# Altium PCB Sensor_ExpandBoard_V1.1.PcbDoc (continued)
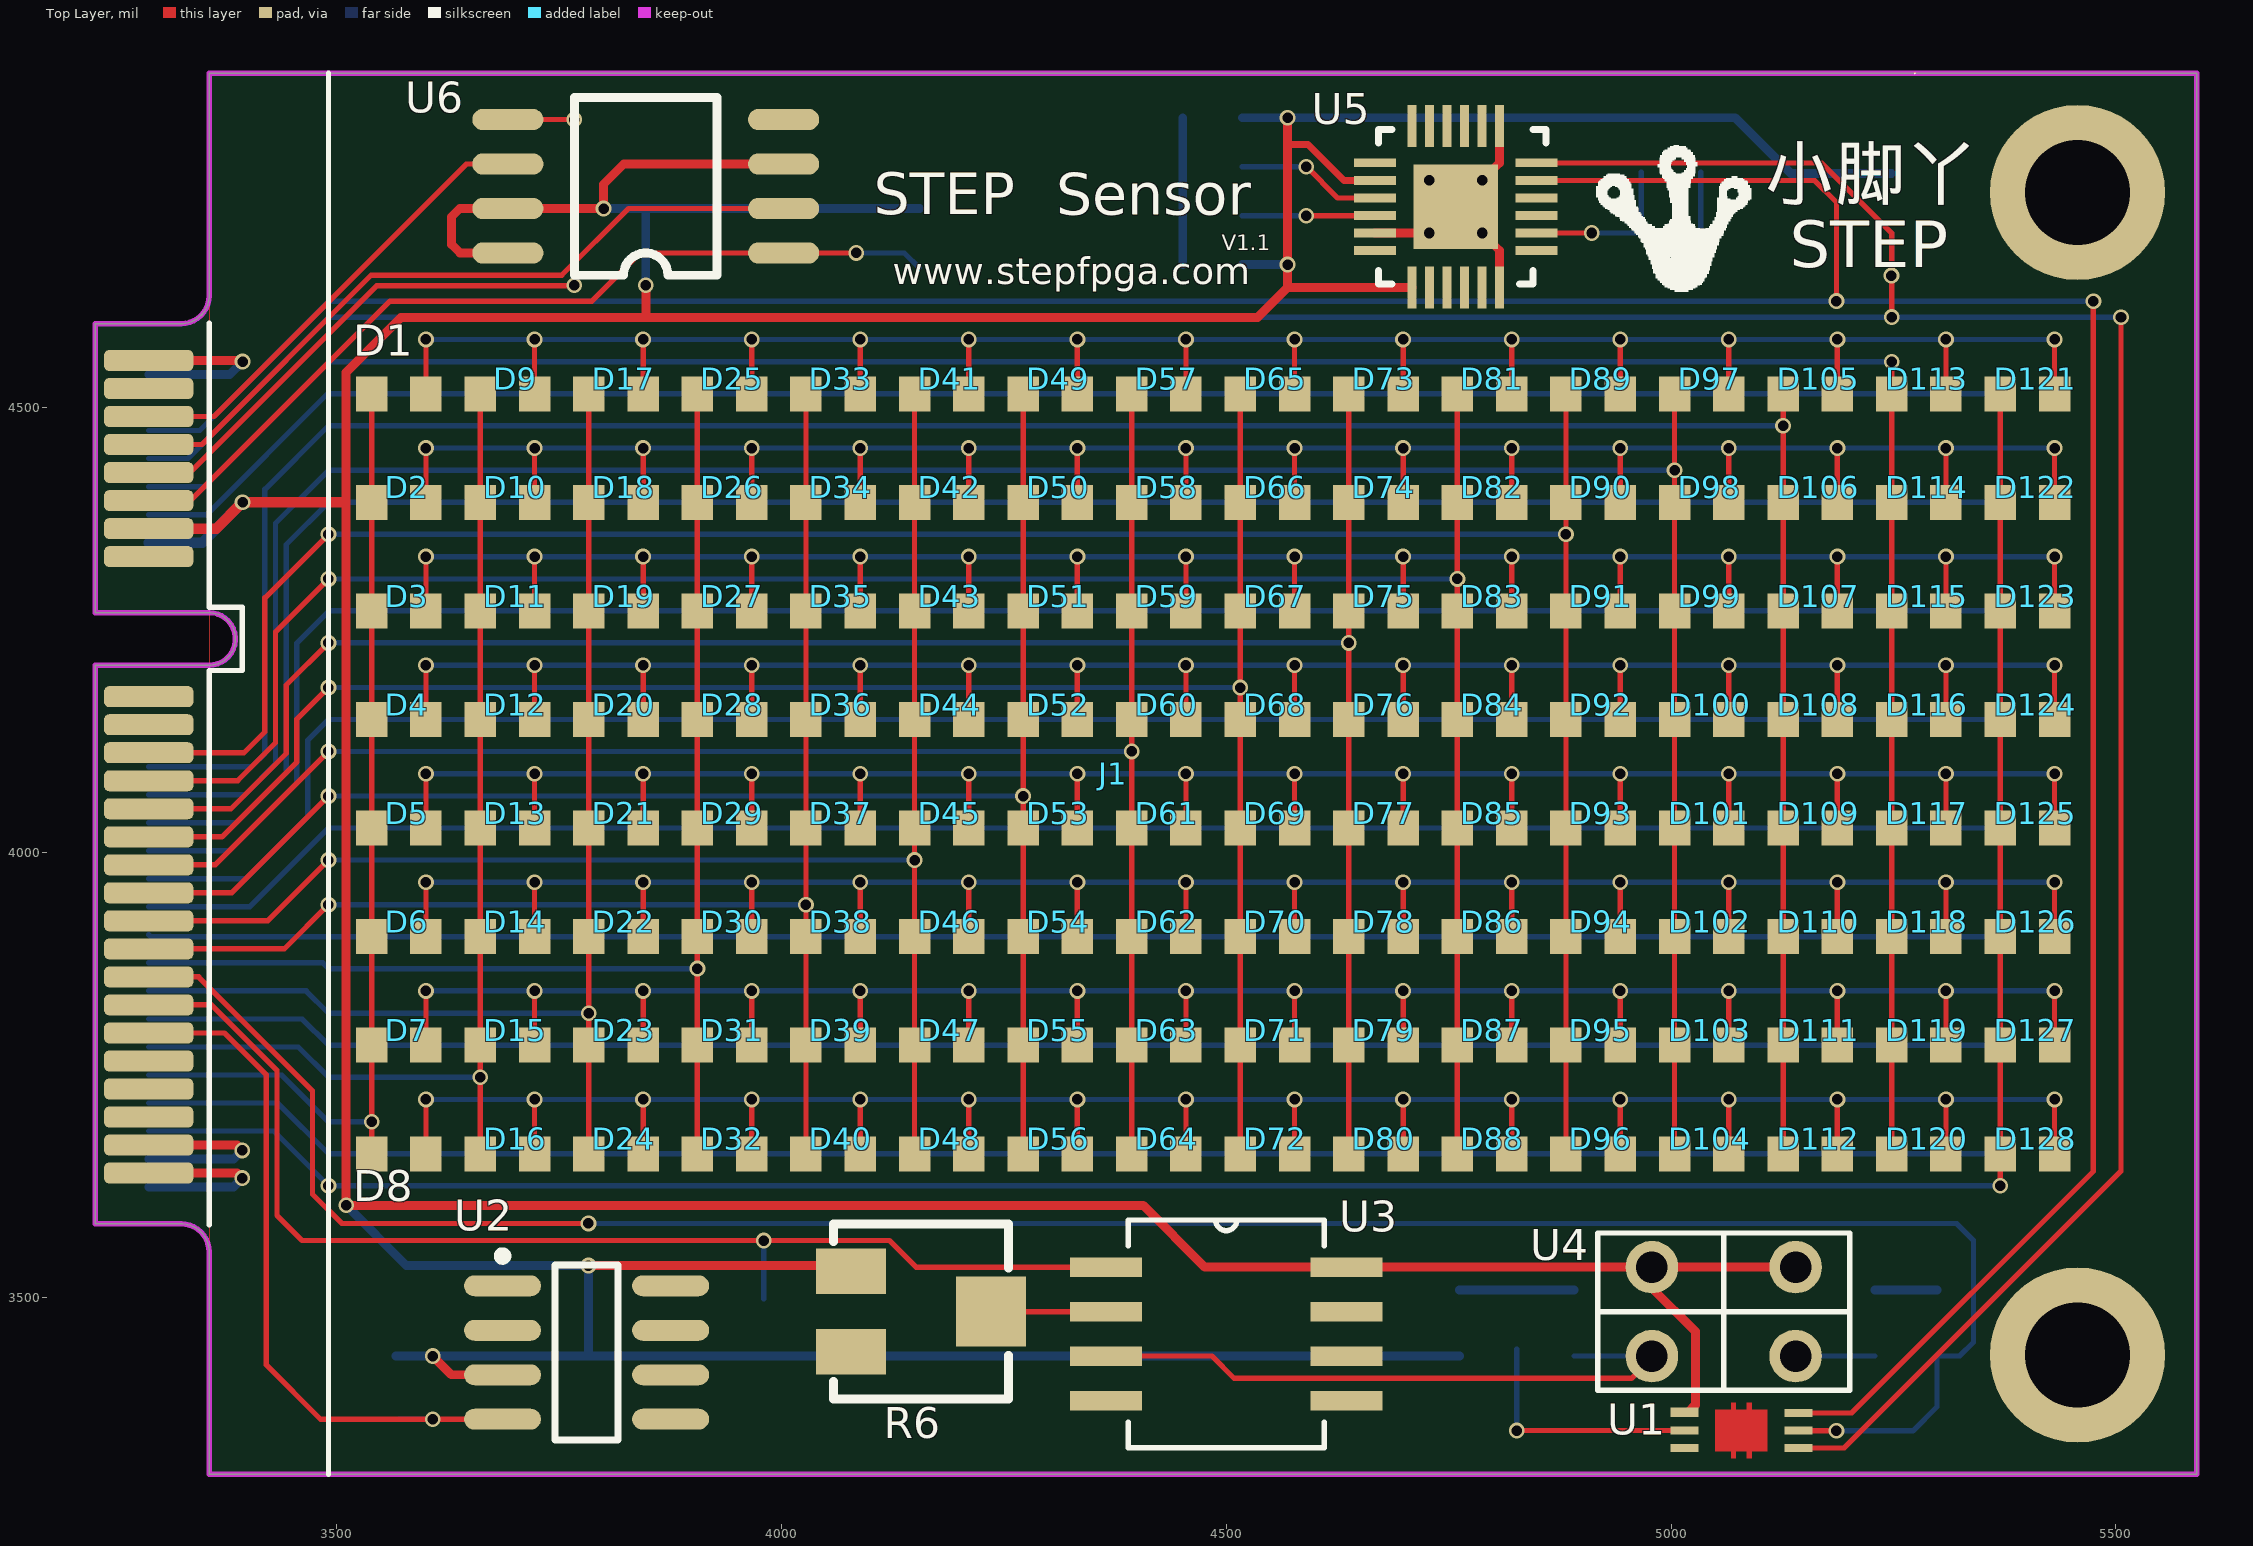
[diagram p0: Top Layer view]
## Components (designator, comment, footprint, x,y, rotation, side; value= is the part's Value field where it differs from the comment) (continued)
STEP "Comment" ECBC-STEP-M 5009.76,4678.03 r0 top
U1 "BH1750" WSOF6 5022,3371 r270 top
U2 "DS18B20" SOIC8_N 3781,3438 r0 top
U3 "LM393_PS_8" PS8 4500,3459 r0 top
U4 "Optoisolator1" IR_PAIRED_TUBE 5140,3534 r270 top
U5 "MPU6050" QFN24 4758,4726 r270 top
U6 "W25Q64" SOIC8 3847.44,4749.02 r180 top

## Footprints (in the part's own frame and the unit in brackets; to place one, negate y for a bottom-side part, rotate by r counter-clockwise, add the part's x,y. Pads: shape width x height; smd on the part's side, far side on the other; paste and mask are expansions set on the pad)
0603-1 [mm] "贴片带丝印"
  rect 1.1x1 smd: 1(-0.85,0) 2(0.85,0)
  silkscreen extent -1.65,-0.76 1.65,0.76, body extent -1.14,-0.38 1.14,0.38, height 1
0603-2 [mm] "贴片无丝印"
  rect 1.1x1 smd: 1(-0.85,0) 2(0.85,0)
ECBC-STEP-M [mil] "height=165mil"
  silkscreen extent -94,-47 81,117
IR_PAIRED_TUBE [mm]
  round 1.5 hole 0.9: 1(2.54,0) 2(0,0) 3(2.54,-4.1) 4(0,-4.1)
  round 0.5 on Top Overlay: 3(-0.775,1.875)
  silkscreen extent -0.97,-5.64 3.52,1.54
LED_0603_SMALL [mm] "贴片二极管"
  round 0.152 on Top Overlay: 0(1.25,0.85)
  rect 0.9x1 smd: 1(-0.75,0) 2(0.8,0)
MSATA [mm] "mSATA Golden Finger"
  round 5 hole 3: 1(55.071,-28.396) 2(55.071,4.796)
  rrect50% 2.55x0.6 smd: A0(0,0) A1(0,-0.8) A2(0,-1.6) A3(0,-2.4) A4(0,-3.2) A5(0,-4) A6(0,-4.8) A7(0,-5.6) A8(0,-9.6) A9(0,-10.4) A10(0,-11.2) A11(0,-12) A12(0,-12.8) A13(0,-13.6) A14(0,-14.4) A15(0,-15.2) A16(0,-16) A17(0,-16.8) A18(0,-17.6) A19(0,-18.4) A20(0,-19.2) A21(0,-20) A22(0,-20.8) A23(0,-21.6) A24(0,-22.4) A25(0,-23.2)
  rrect50% 2.55x0.6 smd far side: B0(0,-0.4) B1(0,-1.2) B2(0,-2) B3(0,-2.8) B4(0,-3.6) B5(0,-4.4) B6(0,-5.2) B7(0,-6) B8(0,-10) B9(0,-10.8) B10(0,-11.6) B11(0,-12.4) B12(0,-13.2) B13(0,-14) B14(0,-14.8) B15(0,-15.6) B16(0,-16.4) B17(0,-17.2) B18(0,-18) B19(0,-18.8) B20(0,-19.6) B21(0,-20.4) B22(0,-21.2) B23(0,-22) B24(0,-22.8) B25(0,-23.6)
  Keep-Out Layer lines w0.152: -1.525,-24.65 0.925,-24.65 cw(c0.925,-25.45) 1.725,-25.45 1.725,-31.8 58.475,-31.8 58.475,8.2 1.725,8.2 1.725,1.85 cw(c0.925,1.85) 0.925,1.05 -1.525,1.05 -1.525,-7.2 1.725,-7.2 cw(c1.725,-7.95) 1.725,-8.7 -1.525,-8.7 -1.525,-24.65
  silkscreen extent 1.73,-24.68 50.43,8.2
POT4MM-2 [mm] "Square Trimming Potentiometer"
  rect 2x1.3 smd: CCW(-2,-1.15) CW(-2,1.15)
  rect 2x2 smd: W(2,0)
  silkscreen extent -2.5,-2.5 2.5,2.5
PS8 [mil]
  rect 81x22 smd: 1(-135,75) 2(-135,25) 3(-135,-25) 4(-135,-75) 5(135,-75) 6(135,-25) 7(135,25) 8(135,75)
  silkscreen extent -110,-128 110,128
QFN24 [mm]
  round 0.4 on Top Overlay: 1(-2.625,2.175)
  rect 1.2x0.245 smd: 1(-2.304,1.25) 2(-2.304,0.75) 3(-2.304,0.25) 4(-2.304,-0.25) 5(-2.304,-0.75) 6(-2.304,-1.25) 13(2.304,-1.25) 14(2.304,-0.75) 15(2.304,-0.25) 16(2.304,0.25) 17(2.304,0.75) 18(2.304,1.25)
  rect 0.245x1.2 smd: 7(-1.25,-2.304) 8(-0.75,-2.304) 9(-0.25,-2.304) 10(0.25,-2.304) 11(0.75,-2.304) 12(1.25,-2.304) 19(1.25,2.304) 20(0.75,2.304) 21(0.25,2.304) 22(-0.25,2.304) 23(-0.75,2.304) 24(-1.25,2.304)
  rect 2.4x2.4 smd: 18(0,0)
  silkscreen extent -2.2,-2.2 2.2,2.58, body extent -2.04,-2.04 2.05,2.05, height 0.8
SOIC8 [mil]
  oval 80x24 smd: 1(-155,75) 2(-155,25) 3(-155,-25) 4(-155,-75) 5(155,-75) 6(155,-25) 7(155,25) 8(155,75)
  silkscreen extent -80,-100 80,100, body extent -167,-106 163,106, height 91
SOIC8_N [mm] "8-Pin Small Outline Integrated Circuit Package (SOIC8), IPC Medium Density"
  oval 2.2x0.6 smd: 1(-2.4,1.905) 2(-2.4,0.635) 3(-2.4,-0.635) 4(-2.4,-1.905) 5(2.4,-1.905) 6(2.4,-0.635) 7(2.4,0.635) 8(2.4,1.905)
  silkscreen extent -2.52,-2.5 0.9,2.88, body extent -1.95,-2.45 1.95,2.45, height 1.75
WSOF6 [mm]
  rect 0.27x0.8 smd: 1(0,-0.175)
  rect 0.22x0.8 smd: 2(0.525,-0.175) 3(1.025,-0.175) 4(1.025,3.075) 5(0.525,3.075) 6(0.025,3.075)
  Top Layer region: 1.125,1.6 1.325,1.6 1.325,1.75 1.125,1.75
  Top Layer region: 1.125,1.15 1.325,1.15 1.325,1.3 1.125,1.3
  Top Layer region: -0.275,1.15 -0.075,1.15 -0.075,1.3 -0.275,1.3
  Top Layer region: -0.275,1.6 -0.075,1.6 -0.075,1.75 -0.275,1.75
  Top Layer region: -0.075,0.7 1.125,0.7 1.125,2.2 -0.075,2.2

## Part data
C1 C2 C3 C4 C5 C6 C7 C8 C9: "无极性电容"
D1 D2 D3 D4 D5 D6 D7 D8 D9 D10 D11 D12 D13 D14 D15 D16 D17 D18 D19 D20 D21 D22 D23 D24 D25 D26 D27 D28 D29 D30 D31 D32 D33 D34 D35 D36 D37 D38 D39 D40 D41 D42 D43 D44 D45 D46 D47 D48 D49 D50 D51 D52 D53 D54 D55 D56 D57 D58 D59 D60 D61 D62 D63 D64 D65 D66 D67 D68 D69 D70 D71 D72 D73 D74 D75 D76 D77 D78 D79 D80 D81 D82 D83 D84 D85 D86 D87 D88 D89 D90 D91 D92 D93 D94 D95 D96 D97 D98 D99 D100 D101 D102 D103 D104 D105 D106 D107 D108 D109 D110 D111 D112 D113 D114 D115 D116 D117 D118 D119 D120 D121 D122 D123 D124 D125 D126 D127 D128: "发光二极管"
R1 R2 R3 R4 R5 R7 R8 R9 R10 R11 R12 R13 R14 R15 R16 R17 R18: "贴片电阻"
R6: "Square Trimming Potentiometer"
U1: "环境光传感器"
U2: library part DS18B20_SOP8, "温度传感器"
U3: "Imported"
U4: "4-Pin Phototransistor Optocoupler"
U5: "陀螺仪传感器"

## Via types
v1: diameter 17.72, hole 11.81, Top Layer to Bottom Layer, tented both sides, 180 vias
v2: diameter 17.72, hole 11.81, Top Layer to Bottom Layer, 4 vias

## Nets (pads, with @x,y where several pads share a name; then routed paths per layer and width w, separated by ;. In a path a pad name is that pad's centre, name@x,y a point inside that pad or via, vN(x,y) a via of type N, cw(c..) or ccw(c..) an arc to the next point about the centre after c; other vN are vias at no path point)
AD0: R17.1 U5.9 | length 163.9
  Top Layer w6: v1(4590,4771.08) 4625.24,4735.84 U5.9
  Bottom Layer w6: R17.1 v1(4590,4771.08)
BH_DVI: C2.1 J1.A18 U1.5 | length 2628.2
  Top Layer w6: J1.A18 3344.87,3860.25 3472.93,3732.19 3472.93,3615.95 3505.81,3583.07 v1(3783,3583.07) ; U1.5 5143.39,3350 v1(5186,3350)
  Bottom Layer w6: v1(3783,3583.07) 5321.02,3583.07 5339.96,3564.13 5339.96,3449.53 5324.43,3434 C2.1 5299,3377 5272,3350 v1(5186,3350)
COL0: D1.1 D2.1 D3.1 D4.1 D5.1 D6.1 D7.1 D8.1 J1.B21 | length 1126.8
  Top Layer w6: D8.1 v1(3539.37,3697.36) D7.1 D6.1 D5.1 D4.1 D3.1 D2.1 D1.1
  Bottom Layer w6: J1.B21 3438.15,3750 3490.79,3697.36 v1(3539.37,3697.36)
COL1: D9.1 D10.1 D11.1 D12.1 D13.1 D14.1 D15.1 D16.1 J1.B20 | length 1241.1
  Top Layer w6: D16.1 D15.1 D14.1 D13.1 D12.1 D11.1 D10.1 D9.1
  Bottom Layer w6: J1.B20 3456.81,3781.5 3490.79,3747.52 v1(3661.42,3747.52)
COL2: D17.1 D18.1 D19.1 D20.1 D21.1 D22.1 D23.1 D24.1 J1.B18 | length 1359.4
  Top Layer w6: D24.1 D23.1 v1(3783.46,3819.41) D22.1 D21.1 D20.1 D19.1 D18.1 D17.1
  Bottom Layer w6: J1.B18 3465.71,3844.49 3490.79,3819.41 v1(3783.46,3819.41)
COL3: D25.1 D26.1 D27.1 D28.1 D29.1 D30.1 D31.1 D32.1 J1.B17 | length 1473.8
  Top Layer w6: D32.1 D31.1 D30.1 D29.1 D28.1 D27.1 D26.1 D25.1
  Bottom Layer w6: J1.B17 3484.37,3875.98 3490.79,3869.57 v1(3905.51,3869.57)
COL4: D33.1 D34.1 D35.1 D36.1 D37.1 D38.1 D39.1 D40.1 J1.A17 | length 1613.7
  Top Layer w6: J1.A17 3441.08,3891.75 v1(3490.79,3941.46) ; D40.1 D39.1 D38.1 v1(4027.56,3941.46) D37.1 D36.1 D35.1 D34.1 D33.1
  Bottom Layer w6: v1(3490.79,3941.46) v1(4027.56,3941.46)
COL5: D41.1 D42.1 D43.1 D44.1 D45.1 D46.1 D47.1 D48.1 J1.A16 | length 1743.5
  Top Layer w6: J1.A16 3422.42,3923.24 v1(3490.79,3991.61) ; D48.1 D47.1 D46.1 v1(4149.61,3991.61) D45.1 D44.1 D43.1 D42.1 D41.1
  Bottom Layer w6: v1(3490.79,3991.61) v1(4149.61,3991.61)
COL6: D49.1 D50.1 D51.1 D52.1 D53.1 D54.1 D55.1 D56.1 J1.A15 | length 1882.3
  Top Layer w6: J1.A15 3382.02,3954.74 v1(3490.79,4063.5) ; D56.1 D55.1 D54.1 D53.1 D52.1 D51.1 D50.1 D49.1
  Bottom Layer w6: v1(3490.79,4063.5) v1(4271.65,4063.5)
COL7: D57.1 D58.1 D59.1 D60.1 D61.1 D62.1 D63.1 D64.1 J1.A14 | length 2012.1
  Top Layer w6: J1.A14 3363.36,3986.24 v1(3490.79,4113.66) ; D64.1 D63.1 D62.1 D61.1 D60.1 D59.1 D58.1 D57.1
  Bottom Layer w6: v1(3490.79,4113.66) v1(4393.7,4113.66)
COL8: D65.1 D66.1 D67.1 D68.1 D69.1 D70.1 D71.1 D72.1 J1.A13 | length 2179.1
  Top Layer w6: J1.A13 3371.2,4017.73 3455.33,4101.87 3455.33,4150.09 v1(3490.79,4185.55) ; D72.1 D71.1 D70.1 D69.1 D68.1 v1(4515.75,4185.55) D67.1 D66.1 D65.1
  Bottom Layer w6: v1(3490.79,4185.55) v1(4515.75,4185.55)
COL9: D73.1 D74.1 D75.1 D76.1 D77.1 D78.1 D79.1 D80.1 J1.A12 | length 2325.7
  Top Layer w6: J1.A12 3381.2,4049.23 3443.33,4111.36 3443.33,4188.25 v1(3490.79,4235.71) ; D80.1 D79.1 D78.1 D77.1 D76.1 v1(4637.8,4235.71) D75.1 D74.1 D73.1
  Bottom Layer w6: v1(3490.79,4235.71) v1(4637.8,4235.71)
COL10: D81.1 D82.1 D83.1 D84.1 D85.1 D86.1 D87.1 D88.1 J1.A11 | length 2492.5
  Top Layer w6: J1.A11 3388.64,4080.72 3431.33,4123.42 3431.33,4248.14 v1(3490.79,4307.6) ; D88.1 D87.1 D86.1 D85.1 D84.1 D83.1 D82.1 D81.1
  Bottom Layer w6: v1(3490.79,4307.6) v1(4759.84,4307.6)
COL11: D89.1 D90.1 D91.1 D92.1 D93.1 D94.1 D95.1 D96.1 J1.A10 | length 2637.3
  Top Layer w6: J1.A10 3395.72,4112.22 3419.33,4135.83 3419.33,4286.3 v1(3490.79,4357.76) ; D96.1 D95.1 D94.1 D93.1 D92.1 D91.1 D90.1 D89.1
  Bottom Layer w6: v1(3490.79,4357.76) v1(4881.89,4357.76)
COL12: D97.1 D98.1 D99.1 D100.1 D101.1 D102.1 D103.1 D104.1 J1.B11 | length 2879.2
  Top Layer w6: D104.1 D103.1 D102.1 D101.1 D100.1 D99.1 D98.1 D97.1
  Bottom Layer w6: J1.B11 3396.89,4064.96 3431.33,4099.4 3431.33,4370.19 3490.79,4429.65 v1(5003.94,4429.65)
COL13: D105.1 D106.1 D107.1 D108.1 D109.1 D110.1 D111.1 D112.1 J1.B10 | length 3024.3
  Top Layer w6: D112.1 D111.1 D110.1 D109.1 D108.1 D107.1 D106.1 D105.1
  Bottom Layer w6: J1.B10 3404.33,4096.46 3419.33,4111.46 3419.33,4408.35 3490.79,4479.8 v1(5125.98,4479.8)
COL14: D113.1 D114.1 D115.1 D116.1 D117.1 D118.1 D119.1 D120.1 J1.B4 | length 2907.7
  Top Layer w6: D120.1 D119.1 D118.1 D117.1 D116.1 D115.1 D114.1 v1(5248.03,4551.69)
  Bottom Layer w6: J1.B4 3351.22,4411.42 3491.5,4551.69 v1(5248.03,4551.69)
COL15: D121.1 D122.1 D123.1 D124.1 D125.1 D126.1 D127.1 D128.1 J1.B23 | length 2997.1
  Top Layer w6: v1(5370.08,3625.47) D128.1 D127.1 D126.1 D125.1 D124.1 D123.1 D122.1 D121.1
  Bottom Layer w6: J1.B23 3429.25,3687.01 v1(3490.79,3625.47) v1(5370.08,3625.47)
DS_DATA: J1.A20 R4.1 U2.4 | length 805.7
  Top Layer w6: J1.A20 3373.92,3797.26 3421,3750.18 3421,3424 3482,3363 v1(3607.89,3363) U2.4
  Bottom Layer w6: R4.1@3570.91,3363 v1(3607.89,3363)
GND: C1.2 C2.2 C3.1 C4.2 C5.2 C6.2 C7.2 C8.1 C9.2 J1.1 J1.2 J1.A0 J1.A24 J1.A25 J1.B0 J1.B24 J1.B25 R1.1 R6.CCW R7.1 R8.1 R17.2 U1.3 U2.5 U3.4 U5.1@4807.21,4816.71 U5.11 U5.18 U6.4 | length 1324.4
  Top Layer w10: J1.A25 v1@3388.25,3639.78 ; J1.A24 v1@3387.82,3671.28 ; J1.A0 v1@3393.03,4553.15 ; U5.11 v2(4728.47,4696.47) ; U5.18@4807.21,4635.29 4807.21,4676.79 v2(4787.53,4696.47) v2(4787.53,4755.53) 4807.21,4775.21 U5.1@4807.21,4816.71
  Bottom Layer w6: C7.2 C8.1
  Bottom Layer w10: J1.B25 3383.86,3624.02 v1(3393.94,3634.09) ; J1.B24 3384.29,3655.51 v1(3393.94,3665.16) ; J1.B0 3379.65,4537.41 v1(3394.21,4551.97) ; C5.2 C6.2 R17.2 C4.2 ; C1.2@4762,3508.46 R8.1@4891,3508.46 ; R7.1@5229,3508.46 C2.2@5299,3508.46
  other v2: 4728.47,4755.53
I2C_SCL: J1.B2 R2.1 U1.6 U5.23 | length 4203.8
  Top Layer w6: U5.23 5161.47,4755.53 5186,4731 v1(5186,4620) ; U1.6 5203.02,3370.02 5474.8,3641.8 v1(5474.8,4619.76)
  Bottom Layer w6: J1.B2 3346.14,4474.41 3491.59,4619.86 v1@5186,4619.86 ; R2.1 v1(5186,4620) v1@5186,4619.86 ; v1(5474.8,4619.76) 5474.71,4619.86 v1@5186,4619.86
I2C_SDA: J1.B3 R3.1 U1.4 U5.24 | length 4308.7
  Top Layer w6: U5.24 5169.32,4775.21 5248,4696.54 v1(5248,4602) ; U1.4 5194.64,3330.65 5505.82,3641.82 v1(5505.82,4601.85)
  Bottom Layer w6: J1.B3 3332.68,4442.91 3491.61,4601.85 v1(5505.82,4601.85) ; v1@5248,4648.83 R3.1
  other v1: 5247.76,4648.58
IR_OUTPUT: J1.A19 R5.1 U3.1 | length 1359.3
  Top Layer w6: J1.A19 3359.39,3828.76 3433,3755.15 3433,3592 3461.13,3563.87 4121.36,3563.87 4151.22,3534 U3.1
  Bottom Layer w6: R5.1@3980,3498.46 v1(3980,3563.87)
NetC7_1: C7.1 C8.2 U5.20 | length 186.4
  Top Layer w6: U5.20 v1(4911,4696.47)
  Bottom Layer w6: v1(4911,4696.47) C7.1 C8.2
NetR1_2: R1.2 U1.2 | length 279.8
  Top Layer w6: v1(4826.5,3350.33) U1.2
  Bottom Layer w6: v1(4826.5,3350.33) R1.2@4826.5,3441.54
NetR6_W: R6.W U3.2 | length 129.3
  Top Layer w6: R6.W U3.2
NetR7_2: R7.2 U4.1 | length 87
  Bottom Layer w6: U4.1@5142,3434 R7.2
NetR8_2: R8.2 U3.3 U4.3@4978.58,3434 | length 725.9
  Top Layer w6: U3.3 4484,3434 4509,3409 4955.58,3409 U4.3@4980.58,3434
  Bottom Layer w6: R8.2 U4.3@4980.58,3434
REGOUT: C6.1 U5.10 | length 149.4
  Top Layer w6: v1(4590,4716) 4667.13,4716 U5.10
  Bottom Layer w6: C6.1 4518.16,4716 v1(4590,4716)
ROW0: J1.B22 R9.1 | length 2099.1
  Bottom Layer w6: J1.B22 3433.7,3718.5 3490.79,3661.42 R9.1
ROW1: J1.B19 R10.1 | length 2087.7
  Bottom Layer w6: J1.B19 3461.26,3812.99 3490.79,3783.46 R10.1
ROW2: J1.B16 R11.1 | length 2076.2
  Bottom Layer w6: J1.B16 3290.71,3905.51 R11.1
ROW3: J1.B15 R12.1 | length 2112.1
  Bottom Layer w6: J1.B15 3402.2,3938.98 3490.79,4027.56 R12.1
ROW4: J1.B14 R13.1 | length 2200
  Bottom Layer w6: J1.B14 3397.64,3970.47 3467.33,4040.17 3467.33,4126.15 3490.79,4149.61 R13.1
ROW5: J1.B13 R14.1 | length 2279.2
  Bottom Layer w6: J1.B13 3379.02,4001.97 3455.33,4078.28 3455.33,4235.49 3491.5,4271.65 R14.1
ROW6: J1.B12 R15.1 | length 2374.8
  Bottom Layer w6: J1.B12 3386.93,4033.46 3443.33,4089.87 3443.33,4346.24 3490.79,4393.7 R15.1
ROW7: J1.B5 R16.1 | length 2131.7
  Bottom Layer w6: J1.B5 3354.09,4379.92 3489.92,4515.75 R16.1
ROW_B0: D8.2 D16.2 D24.2 D32.2 D40.2 D48.2 D56.2 D64.2 D72.2 D80.2 D88.2 D96.2 D104.2 D112.2 D120.2 D128.2 R9.2 | length 2868.1
  Top Layer w6: D8.2 v1(3600.39,3722.44) ; D16.2 v1(3722.44,3722.44) ; D24.2 v1(3844.49,3722.44) ; D32.2 v1(3966.54,3722.44) ; D40.2 v1(4088.58,3722.44) ; D48.2 v1(4210.63,3722.44) ; D56.2 v1(4332.68,3722.44) ; D64.2 v1(4454.72,3722.44) ; D72.2 v1(4576.77,3722.44) ; D80.2 v1(4698.82,3722.44) ; D88.2 v1(4820.87,3722.44) ; D96.2 v1(4942.91,3722.44) ; D104.2 v1(5064.96,3722.44) ; D112.2 v1(5187.01,3722.44) ; D120.2 v1(5309.06,3722.44) ; D128.2 v1(5431.1,3722.44)
  Bottom Layer w6: v1(3600.39,3722.44) v1(3722.44,3722.44) v1(3844.49,3722.44) v1(3966.54,3722.44) v1(4088.58,3722.44) v1(4210.63,3722.44) v1(4332.68,3722.44) v1(4454.72,3722.44) v1(4576.77,3722.44) v1(4698.82,3722.44) v1(4820.87,3722.44) v1(4942.91,3722.44) v1(5064.96,3722.44) v1(5187.01,3722.44) v1(5309.06,3722.44) v1(5431.1,3722.44) R9.2
ROW_B1: D7.2 D15.2 D23.2 D31.2 D39.2 D47.2 D55.2 D63.2 D71.2 D79.2 D87.2 D95.2 D103.2 D111.2 D119.2 D127.2 R10.2 | length 2868.1
  Top Layer w6: D7.2 v1(3600.39,3844.49) ; D15.2 v1(3722.44,3844.49) ; D23.2 v1(3844.49,3844.49) ; D31.2 v1(3966.54,3844.49) ; D39.2 v1(4088.58,3844.49) ; D47.2 v1(4210.63,3844.49) ; D55.2 v1(4332.68,3844.49) ; D63.2 v1(4454.72,3844.49) ; D71.2 v1(4576.77,3844.49) ; D79.2 v1(4698.82,3844.49) ; D87.2 v1(4820.87,3844.49) ; D95.2 v1(4942.91,3844.49) ; D103.2 v1(5064.96,3844.49) ; D111.2 v1(5187.01,3844.49) ; D119.2 v1(5309.06,3844.49) ; D127.2 v1(5431.1,3844.49)
  Bottom Layer w6: v1(3600.39,3844.49) v1(3722.44,3844.49) v1(3844.49,3844.49) v1(3966.54,3844.49) v1(4088.58,3844.49) v1(4210.63,3844.49) v1(4332.68,3844.49) v1(4454.72,3844.49) v1(4576.77,3844.49) v1(4698.82,3844.49) v1(4820.87,3844.49) v1(4942.91,3844.49) v1(5064.96,3844.49) v1(5187.01,3844.49) v1(5309.06,3844.49) v1(5431.1,3844.49) R10.2
ROW_B2: D6.2 D14.2 D22.2 D30.2 D38.2 D46.2 D54.2 D62.2 D70.2 D78.2 D86.2 D94.2 D102.2 D110.2 D118.2 D126.2 R11.2 | length 2868.1
  Top Layer w6: D6.2 v1(3600.39,3966.54) ; D14.2 v1(3722.44,3966.54) ; D22.2 v1(3844.49,3966.54) ; D30.2 v1(3966.54,3966.54) ; D38.2 v1(4088.58,3966.54) ; D46.2 v1(4210.63,3966.54) ; D54.2 v1(4332.68,3966.54) ; D62.2 v1(4454.72,3966.54) ; D70.2 v1(4576.77,3966.54) ; D78.2 v1(4698.82,3966.54) ; D86.2 v1(4820.87,3966.54) ; D94.2 v1(4942.91,3966.54) ; D102.2 v1(5064.96,3966.54) ; D110.2 v1(5187.01,3966.54) ; D118.2 v1(5309.06,3966.54) ; D126.2 v1(5431.1,3966.54)
  Bottom Layer w6: v1(3600.39,3966.54) v1(3722.44,3966.54) v1(3844.49,3966.54) v1(3966.54,3966.54) v1(4088.58,3966.54) v1(4210.63,3966.54) v1(4332.68,3966.54) v1(4454.72,3966.54) v1(4576.77,3966.54) v1(4698.82,3966.54) v1(4820.87,3966.54) v1(4942.91,3966.54) v1(5064.96,3966.54) v1(5187.01,3966.54) v1(5309.06,3966.54) v1(5431.1,3966.54) R11.2
ROW_B3: D5.2 D13.2 D21.2 D29.2 D37.2 D45.2 D53.2 D61.2 D69.2 D77.2 D85.2 D93.2 D101.2 D109.2 D117.2 D125.2 R12.2 | length 2868.1
  Top Layer w6: D5.2 v1(3600.39,4088.58) ; D13.2 v1(3722.44,4088.58) ; D21.2 v1(3844.49,4088.58) ; D29.2 v1(3966.54,4088.58) ; D37.2 v1(4088.58,4088.58) ; D45.2 v1(4210.63,4088.58) ; D53.2 v1(4332.68,4088.58) ; D61.2 v1(4454.72,4088.58) ; D69.2 v1(4576.77,4088.58) ; D77.2 v1(4698.82,4088.58) ; D85.2 v1(4820.87,4088.58) ; D93.2 v1(4942.91,4088.58) ; D101.2 v1(5064.96,4088.58) ; D109.2 v1(5187.01,4088.58) ; D117.2 v1(5309.06,4088.58) ; D125.2 v1(5431.1,4088.58)
  Bottom Layer w6: v1(3600.39,4088.58) v1(3722.44,4088.58) v1(3844.49,4088.58) v1(3966.54,4088.58) v1(4088.58,4088.58) v1(4210.63,4088.58) v1(4332.68,4088.58) v1(4454.72,4088.58) v1(4576.77,4088.58) v1(4698.82,4088.58) v1(4820.87,4088.58) v1(4942.91,4088.58) v1(5064.96,4088.58) v1(5187.01,4088.58) v1(5309.06,4088.58) v1(5431.1,4088.58) R12.2
ROW_B4: D4.2 D12.2 D20.2 D28.2 D36.2 D44.2 D52.2 D60.2 D68.2 D76.2 D84.2 D92.2 D100.2 D108.2 D116.2 D124.2 R13.2 | length 2868.1
  Top Layer w6: D4.2 v1(3600.39,4210.63) ; D12.2 v1(3722.44,4210.63) ; D20.2 v1(3844.49,4210.63) ; D28.2 v1(3966.54,4210.63) ; D36.2 v1(4088.58,4210.63) ; D44.2 v1(4210.63,4210.63) ; D52.2 v1(4332.68,4210.63) ; D60.2 v1(4454.72,4210.63) ; D68.2 v1(4576.77,4210.63) ; D76.2 v1(4698.82,4210.63) ; D84.2 v1(4820.87,4210.63) ; D92.2 v1(4942.91,4210.63) ; D100.2 v1(5064.96,4210.63) ; D108.2 v1(5187.01,4210.63) ; D116.2 v1(5309.06,4210.63) ; D124.2 v1(5431.1,4210.63)
  Bottom Layer w6: v1(3600.39,4210.63) v1(3722.44,4210.63) v1(3844.49,4210.63) v1(3966.54,4210.63) v1(4088.58,4210.63) v1(4210.63,4210.63) v1(4332.68,4210.63) v1(4454.72,4210.63) v1(4576.77,4210.63) v1(4698.82,4210.63) v1(4820.87,4210.63) v1(4942.91,4210.63) v1(5064.96,4210.63) v1(5187.01,4210.63) v1(5309.06,4210.63) v1(5431.1,4210.63) R13.2
ROW_B5: D3.2 D11.2 D19.2 D27.2 D35.2 D43.2 D51.2 D59.2 D67.2 D75.2 D83.2 D91.2 D99.2 D107.2 D115.2 D123.2 R14.2 | length 2868.1
  Top Layer w6: D3.2 v1(3600.39,4332.68) ; D11.2 v1(3722.44,4332.68) ; D19.2 v1(3844.49,4332.68) ; D27.2 v1(3966.54,4332.68) ; D35.2 v1(4088.58,4332.68) ; D43.2 v1(4210.63,4332.68) ; D51.2 v1(4332.68,4332.68) ; D59.2 v1(4454.72,4332.68) ; D67.2 v1(4576.77,4332.68) ; D75.2 v1(4698.82,4332.68) ; D83.2 v1(4820.87,4332.68) ; D91.2 v1(4942.91,4332.68) ; D99.2 v1(5064.96,4332.68) ; D107.2 v1(5187.01,4332.68) ; D115.2 v1(5309.06,4332.68) ; D123.2 v1(5431.1,4332.68)
  Bottom Layer w6: v1(3600.39,4332.68) v1(3722.44,4332.68) v1(3844.49,4332.68) v1(3966.54,4332.68) v1(4088.58,4332.68) v1(4210.63,4332.68) v1(4332.68,4332.68) v1(4454.72,4332.68) v1(4576.77,4332.68) v1(4698.82,4332.68) v1(4820.87,4332.68) v1(4942.91,4332.68) v1(5064.96,4332.68) v1(5187.01,4332.68) v1(5309.06,4332.68) v1(5431.1,4332.68) R14.2
ROW_B6: D2.2 D10.2 D18.2 D26.2 D34.2 D42.2 D50.2 D58.2 D66.2 D74.2 D82.2 D90.2 D98.2 D106.2 D114.2 D122.2 R15.2 | length 2868.1
  Top Layer w6: D2.2 v1(3600.39,4454.72) ; D10.2 v1(3722.44,4454.72) ; D18.2 v1(3844.49,4454.72) ; D26.2 v1(3966.54,4454.72) ; D34.2 v1(4088.58,4454.72) ; D42.2 v1(4210.63,4454.72) ; D50.2 v1(4332.68,4454.72) ; D58.2 v1(4454.72,4454.72) ; D66.2 v1(4576.77,4454.72) ; D74.2 v1(4698.82,4454.72) ; D82.2 v1(4820.87,4454.72) ; D90.2 v1(4942.91,4454.72) ; D98.2 v1(5064.96,4454.72) ; D106.2 v1(5187.01,4454.72) ; D114.2 v1(5309.06,4454.72) ; D122.2 v1(5431.1,4454.72)
  Bottom Layer w6: v1(3600.39,4454.72) v1(3722.44,4454.72) v1(3844.49,4454.72) v1(3966.54,4454.72) v1(4088.58,4454.72) v1(4210.63,4454.72) v1(4332.68,4454.72) v1(4454.72,4454.72) v1(4576.77,4454.72) v1(4698.82,4454.72) v1(4820.87,4454.72) v1(4942.91,4454.72) v1(5064.96,4454.72) v1(5187.01,4454.72) v1(5309.06,4454.72) v1(5431.1,4454.72) R15.2
ROW_B7: D1.2 D9.2 D17.2 D25.2 D33.2 D41.2 D49.2 D57.2 D65.2 D73.2 D81.2 D89.2 D97.2 D105.2 D113.2 D121.2 R16.2 | length 2868.1
  Top Layer w6: D1.2 v1(3600.39,4576.77) ; D9.2 v1(3722.44,4576.77) ; D17.2 v1(3844.49,4576.77) ; D25.2 v1(3966.54,4576.77) ; D33.2 v1(4088.58,4576.77) ; D41.2 v1(4210.63,4576.77) ; D49.2 v1(4332.68,4576.77) ; D57.2 v1(4454.72,4576.77) ; D65.2 v1(4576.77,4576.77) ; D73.2 v1(4698.82,4576.77) ; D81.2 v1(4820.87,4576.77) ; D89.2 v1(4942.91,4576.77) ; D97.2 v1(5064.96,4576.77) ; D105.2 v1(5187.01,4576.77) ; D113.2 v1(5309.06,4576.77) ; D121.2 v1(5431.1,4576.77)
  Bottom Layer w6: v1(3600.39,4576.77) v1(3722.44,4576.77) v1(3844.49,4576.77) v1(3966.54,4576.77) v1(4088.58,4576.77) v1(4210.63,4576.77) v1(4332.68,4576.77) v1(4454.72,4576.77) v1(4576.77,4576.77) v1(4698.82,4576.77) v1(4820.87,4576.77) v1(4942.91,4576.77) v1(5064.96,4576.77) v1(5187.01,4576.77) v1(5309.06,4576.77) v1(5431.1,4576.77) R16.2
SPI_C\S\: J1.A5 R18.1 U6.1 | length 988.6
  Top Layer w6: J1.A5 3335.67,4395.67 3559.89,4619.89 3786.89,4619.89 3841.02,4674.02 U6.1 v1(4084,4674.02)
  Bottom Layer w6: v1(4084,4674.02) 4138.07,4674.02 R18.1
SPI_MISO: J1.A3 U6.2 | length 823.6
  Top Layer w6: J1.A3 3348.43,4458.66 3538.76,4649 3752.99,4649 3828,4724.02 U6.2
SPI_MOSI: J1.A4 U6.5 | length 826.3
  Top Layer w6: J1.A4 3335.17,4427.17 3545,4637 3766.24,4637 v1(3767,4637.76) ; U6.5 v1(3767,4824.02)
  Bottom Layer w6: v1(3767,4637.76) v1(3767,4824.02)
SPI_SCLK: J1.A2 U6.6 | length 521.3
  Top Layer w6: J1.A2 3361.89,4490.16 3645.75,4774.02 U6.6
VCC: C1.1 C3.2 C4.1 C5.1 C9.1 J1.A6 J1.B6 R2.2 R3.2 R4.2 R5.2 R6.CW R18.2 U1.1 U2.3 U3.8 U4.2 U4.4 U5.8 U5.13 U6.3 U6.7 U6.8 | length 8462.4
  Top Layer w8: 4569,4796 4592.03,4796 4632.5,4755.53 U5.8
  Top Layer w10: v1(3607.89,3434) 3628.89,3413 U2.3 ; U6.8 3638.74,4674.02 3629.09,4683.66 3629.09,4714.65 3638.46,4724.02 U6.7 v1(3800,4724) 3800,4751.3 3822.72,4774.02 U6.3 ; v1(3783,3535.81) 4078.26,3535.81 R6.CW ; 3846.81,4601.38 3847.56,4602.13 v1(3847.56,4637.76) ; v1(4569,4826) 4569,4796 v1(4569,4661) 4569,4635.29 ; U5.13 4569,4635.29 ; U1.1@5019.11,3370.98 5027.32,3379.2 5027.32,3461.69 4978.58,3510.43 U4.4 ; U4.2@5142,3534 U4.2 U4.4 ; 4569,4635.29 4535.09,4601.38 3572.04,4601.38 3510.65,4539.99 v1(3510.67,3603.46) 4406.54,3603.46 4476,3534 U3.8 U4.4
  Top Layer w12: J1.A6 3364.69,4364.17 v1(3394.21,4393.7) ; v1@3398.7,4393.7 3509,4393.7
  Bottom Layer w10: v1(3510.67,3603.46) 3578.32,3535.81 v1(3783,3535.81) C3.2 ; R4.2 v1(3607.89,3434) C3.2 ; v1(3800,4724) C9.1 ; v1@3847.44,4637.76 C9.1 ; R18.2 C9.1 ; C5.1 v1(4569,4661) ; C4.1 v1(4569,4826) 5072,4826 5134.54,4763.46 R2.2 R3.2 ; C1.1 R5.2 C3.2
  Bottom Layer w12: J1.B6 3348.94,4348.43 v1(3394.21,4393.7)
VCC5: J1.A1
pads on no net: D1.0 D2.0 D3.0 D4.0 D5.0 D6.0 D7.0 D8.0 D9.0 D10.0 D11.0 D12.0 D13.0 D14.0 D15.0 D16.0 D17.0 D18.0 D19.0 D20.0 D21.0 D22.0 D23.0 D24.0 D25.0 D26.0 D27.0 D28.0 D29.0 D30.0 D31.0 D32.0 D33.0 D34.0 D35.0 D36.0 D37.0 D38.0 D39.0 D40.0 D41.0 D42.0 D43.0 D44.0 D45.0 D46.0 D47.0 D48.0 D49.0 D50.0 D51.0 D52.0 D53.0 D54.0 D55.0 D56.0 D57.0 D58.0 D59.0 D60.0 D61.0 D62.0 D63.0 D64.0 D65.0 D66.0 D67.0 D68.0 D69.0 D70.0 D71.0 D72.0 D73.0 D74.0 D75.0 D76.0 D77.0 D78.0 D79.0 D80.0 D81.0 D82.0 D83.0 D84.0 D85.0 D86.0 D87.0 D88.0 D89.0 D90.0 D91.0 D92.0 D93.0 D94.0 D95.0 D96.0 D97.0 D98.0 D99.0 D100.0 D101.0 D102.0 D103.0 D104.0 D105.0 D106.0 D107.0 D108.0 D109.0 D110.0 D111.0 D112.0 D113.0 D114.0 D115.0 D116.0 D117.0 D118.0 D119.0 D120.0 D121.0 D122.0 D123.0 D124.0 D125.0 D126.0 D127.0 D128.0 J1.A7 J1.A8 J1.A9 J1.A21 J1.A22 J1.A23 J1.B1 J1.B7 J1.B8 J1.B9 U2.1 U2.2 U2.6 U2.7 U2.8 U3.5 U3.6 U3.7 U4.3@5213.82,3564.51 U5.1@4843.63,4829.35 U5.2 U5.3 U5.4 U5.5 U5.6 U5.7 U5.12 U5.14 U5.15 U5.16 U5.17 U5.19 U5.21 U5.22

## Polygon pours and split planes (outlines as drawn)
GND on Top Layer "Top Layer-No Net" (solid, shelved, pour order 8): 3356.65,3301.18 5590.91,3301.18
GND on Top Layer "Top Layer-No Net" (solid, shelved, pour order 10): 3356.65,3301.18 5590.91,3301.18 5590.91,4875.98 3356.65,4875.98
GND on Bottom Layer "Top Layer-No Net" (solid, shelved, pour order 14): 3356.65,3301.18 5590.91,3301.18 5590.91,4875.98 3356.65,4875.98

## Silkscreen, mask and mechanical layers (free items; w line width, h text height)
Top Overlay:
  lines w6: 3490.79,3301.18 3490.79,4875.98
  text "小脚丫" at 5104.33,4716.14 h100
  text "STEP" at 4104,4702 h80
  text "Sensor" at 4309,4701 h80
  text "V1.1" at 4495,4671 h30
  text "www.stepfpga.com" at 4125,4629 h52